# Altium PCB TimeCard-DC-V1.PcbDoc (part 1 of 3)
Units mil, origin at the board's own origin, x right, y up, seen from the top; angles counter-clockwise.
Board outline 7087.6 x 4375.98 mil, 6 copper layers (TOP, SGND, IN1, IN2, SGND1, BOTTOM), stack 47.2 mil thick; 120 components, 111 nets, 769 pads, 335 vias.
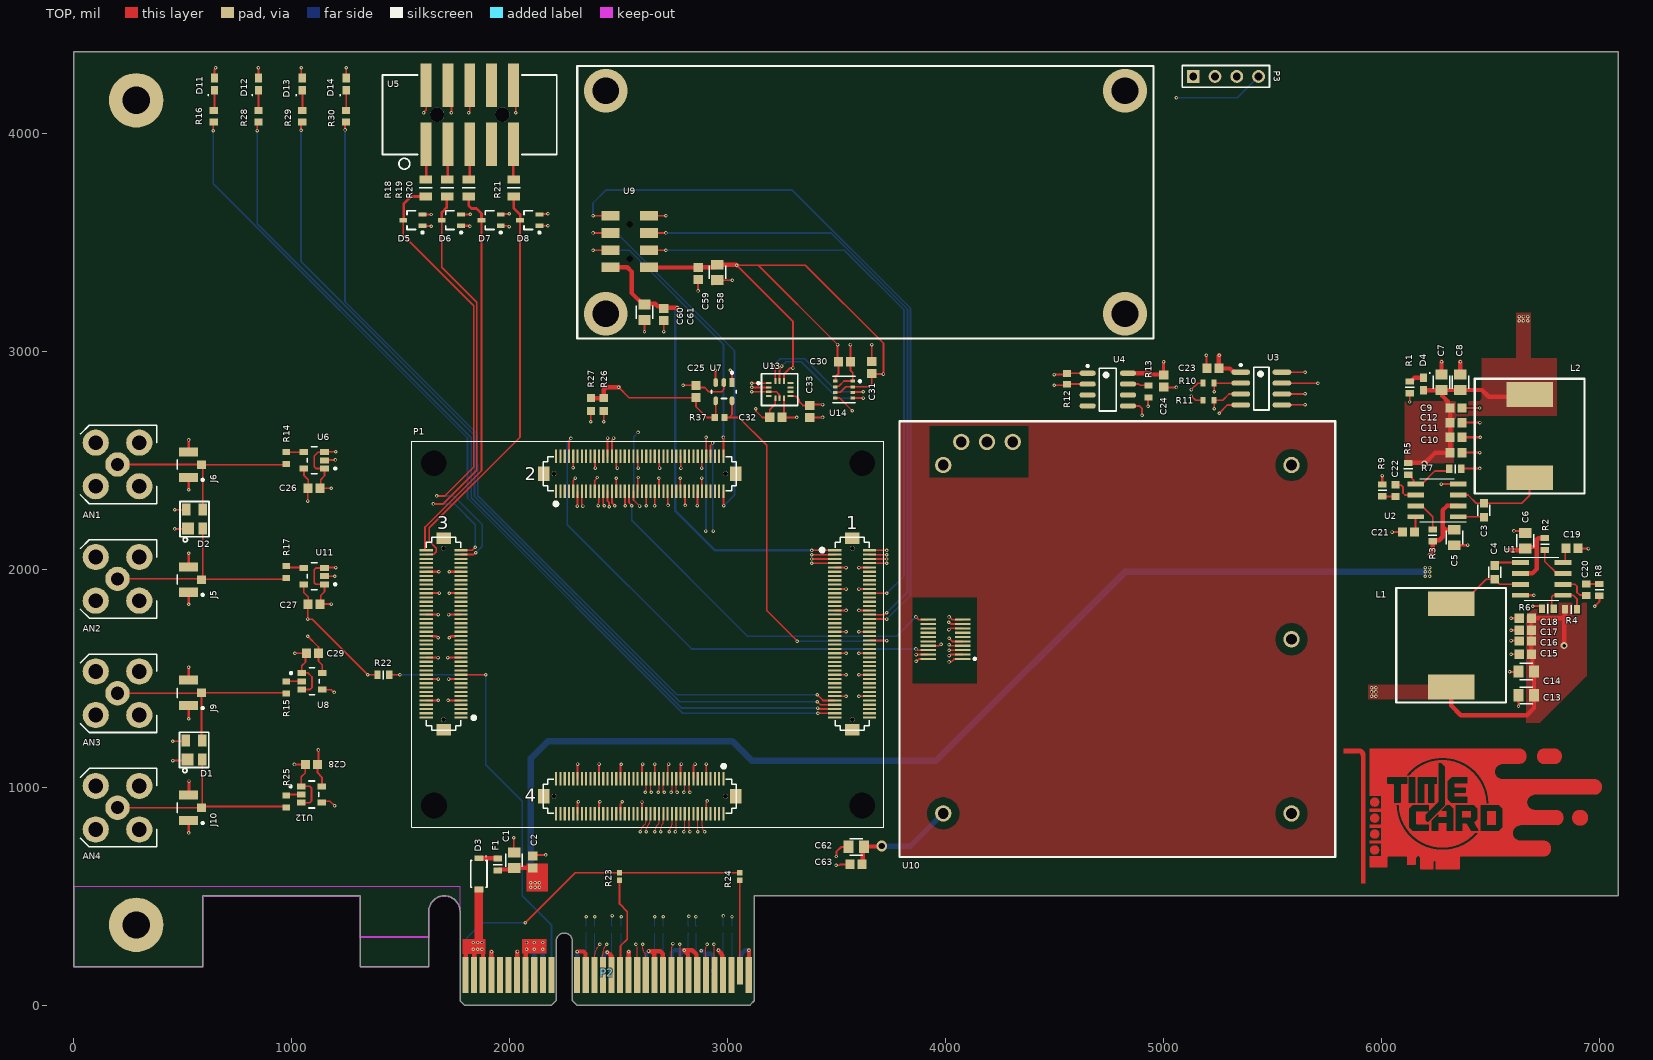
[diagram p0: TOP view]
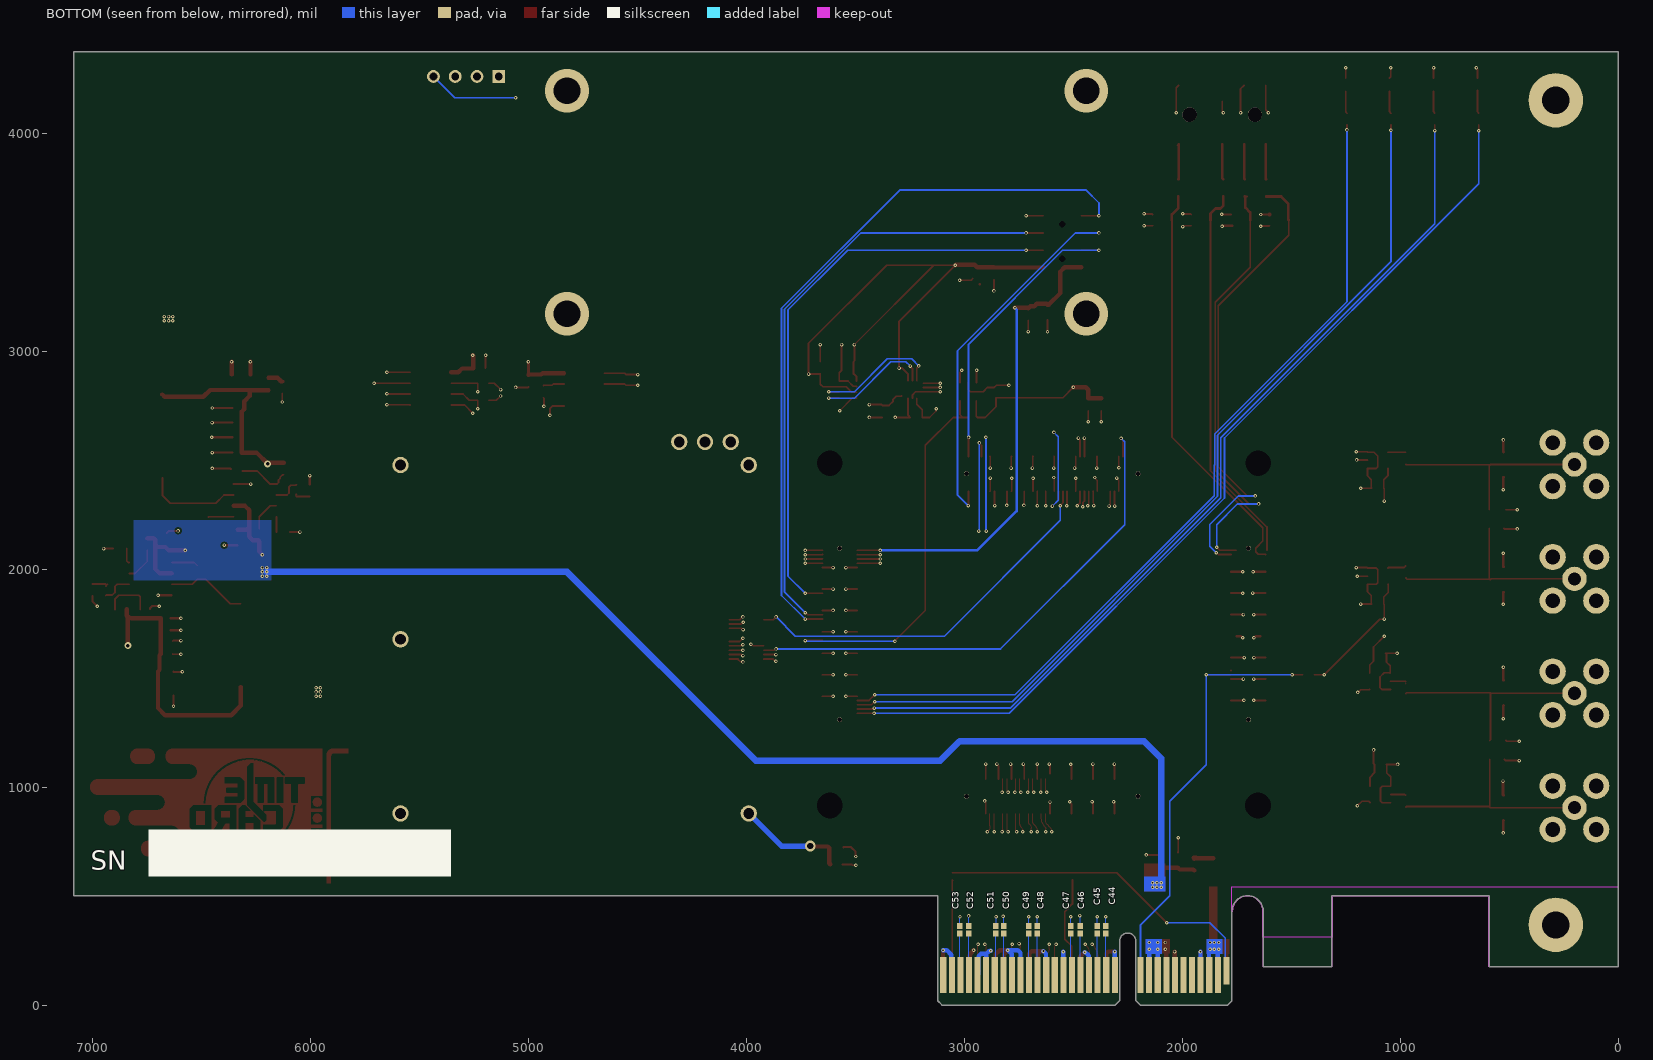
[diagram p1: BOTTOM view, seen from below]
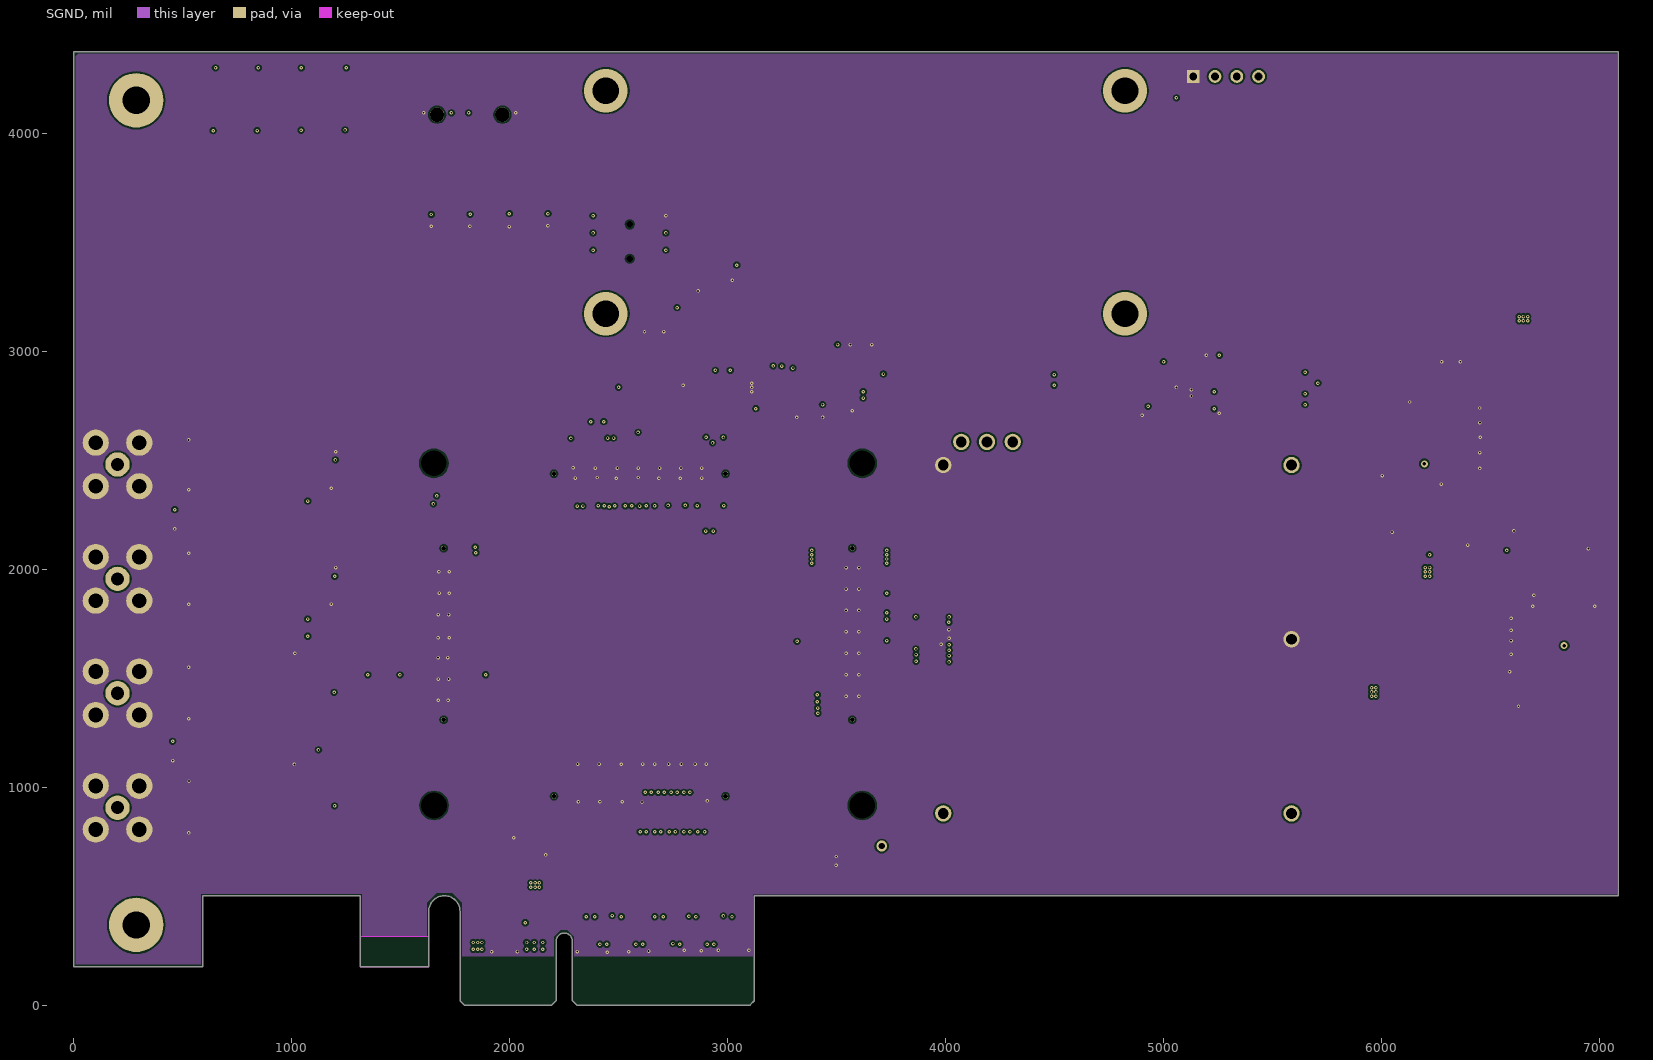
[diagram p2: SGND]
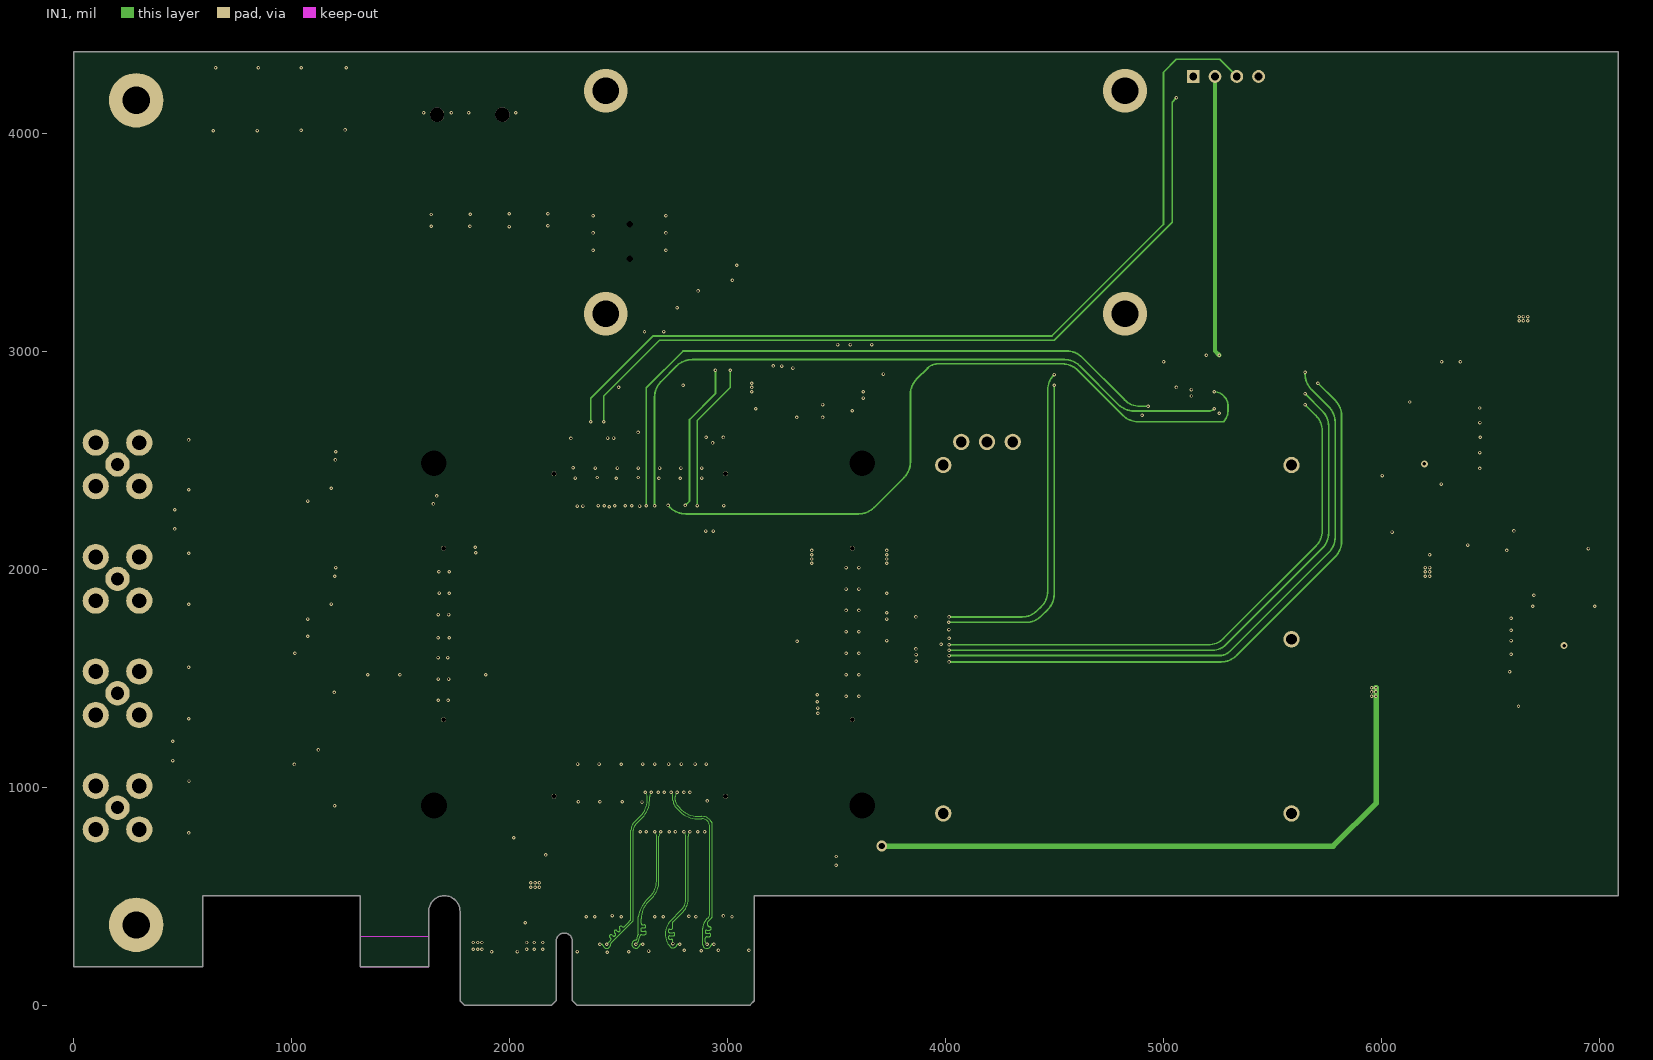
[diagram p3: IN1]
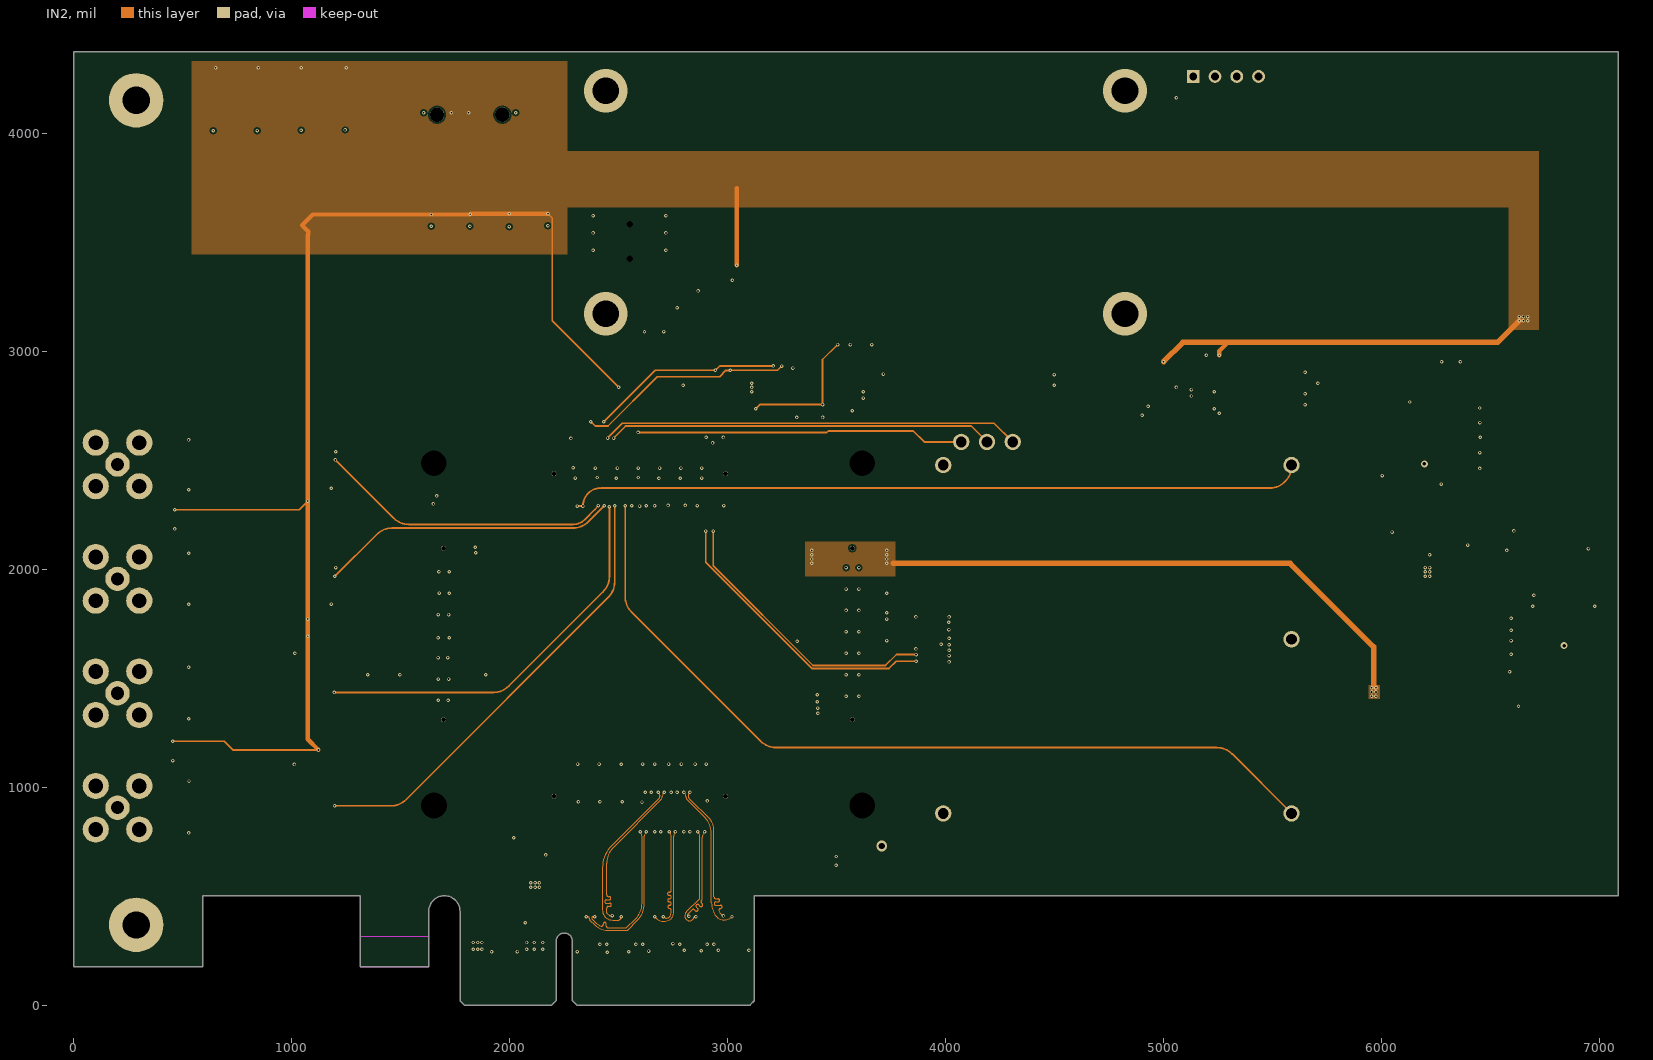
[diagram p4: IN2]
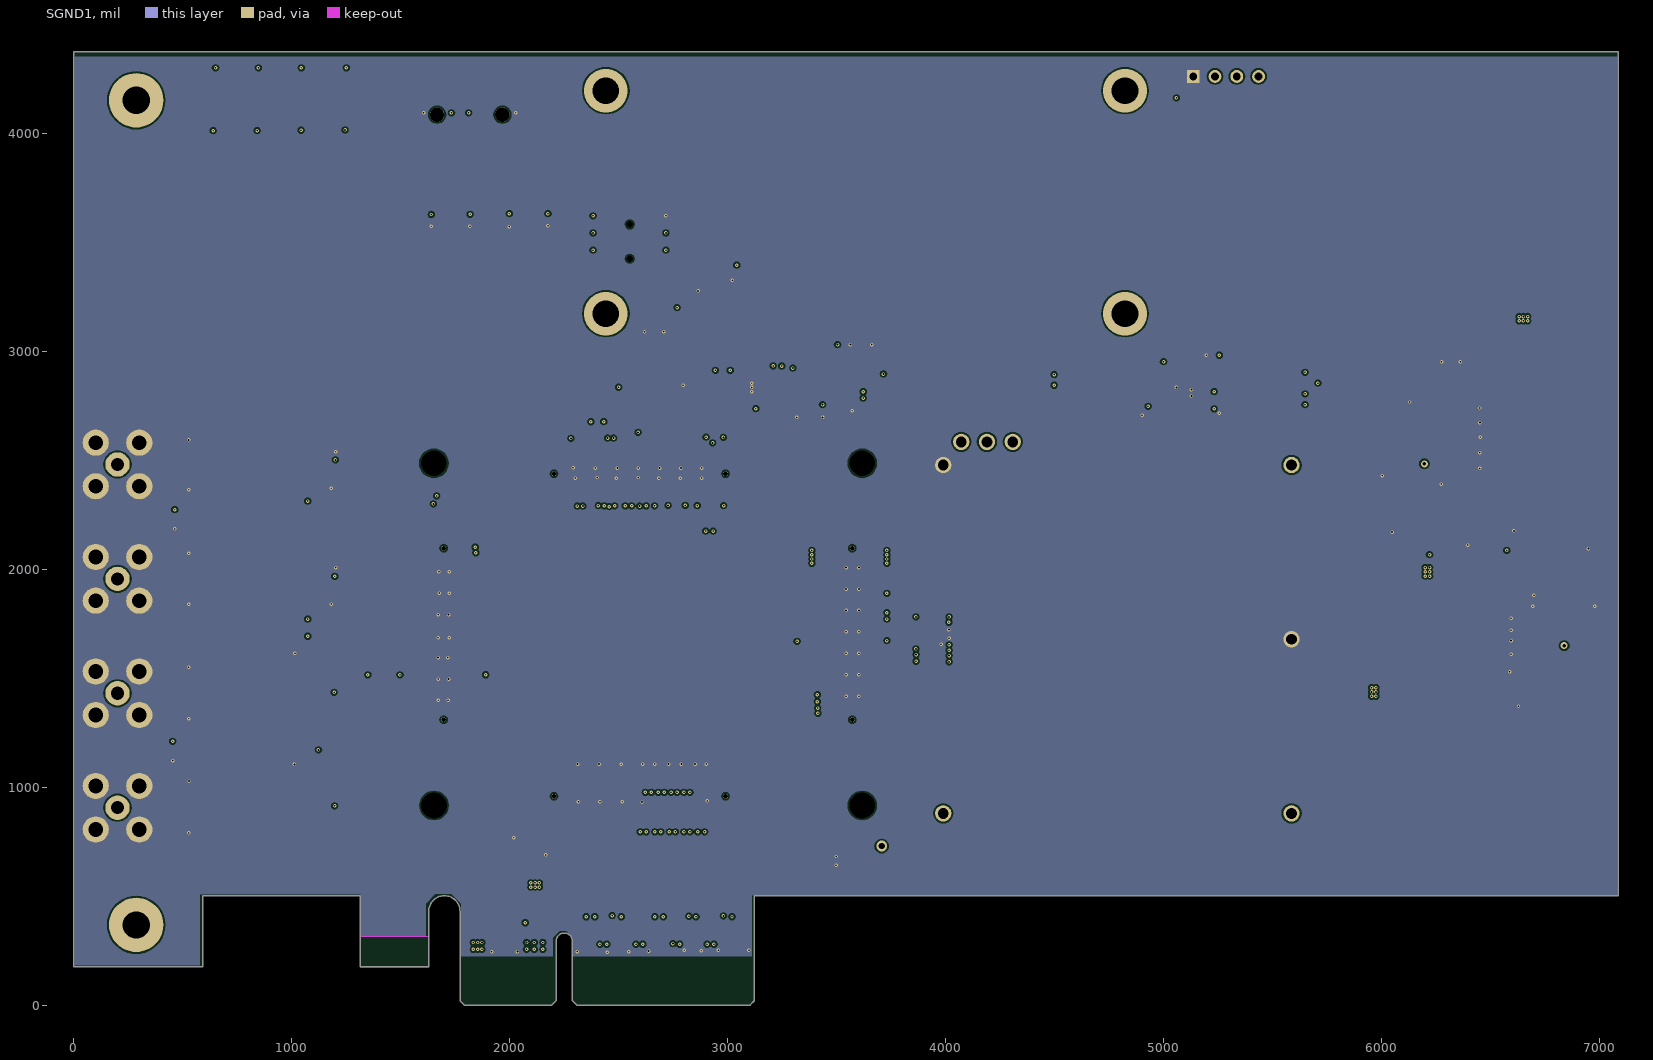
[diagram p5: SGND1]

## Layer stack, top to bottom
Top Solder: solder mask 0.4, Solder Resist, Dk 3.5
TOP: signal copper 1.2
Dielectric 1: core 8, FR-4, Dk 4.5
SGND: signal copper 1.2
Dielectric2: core 8, FR-4, Dk 4.5
IN1: signal copper 1.2
Dielectric3: core 8, FR-4, Dk 4.5
IN2: signal copper 1.2
Dielectric4: core 8, FR-4, Dk 4.5
SGND1: signal copper 1.2
Dielectric5: core 8, FR-4, Dk 4.5
BOTTOM: signal copper 1.2
Bottom Solder: solder mask 0.4, Solder Resist, Dk 3.5

## Board outline
590.55,177.17 590.55,501.97 1312.99,501.97 1312.99,177.17 1627.95,177.17 1627.95,430.12 cw(c1699.8,430.12) 1771.65,430.12 1771.65,19.69 1791.34,0 2192.91,0 2212.6,19.69 2212.6,293.31 cw(c2250,293.31) 2287.4,293.31 2287.4,19.69 2307.09,0 3102.36,0 3122.05,19.69 3122.05,501.97 7087.6,501.97 7087.6,4375.98 0,4375.98 0,177.17

## Design rules (kind name [scope] priority, off if disabled: settings)
Clearance Clearance_1 [OnLayer('Keep-Out Layer')] p1: gap=0 ignorepadtopadclearanceinfootprint=TRUE
Clearance [All] p2: gap=8 ignorepadtopadclearanceinfootprint=TRUE except(5: Arc-Arc Arc-Track Track-Track)
DiffPairsRouting [All] p1: maxlimit=100 minlimit=5 mostfreqgap=6 toplayer_minwidth=5 toplayer_maxwidth=5 toplayer_prefwidth=5 midlayer1_minwidth=5 midlayer1_maxwidth=5 midlayer1_prefwidth=5 midlayer2_minwidth=5 midlayer2_maxwidth=5 midlayer2_prefwidth=5 midlayer3_minwidth=5 midlayer3_maxwidth=5 midlayer3_prefwidth=5 midlayer4_minwidth=5 midlayer4_maxwidth=5 midlayer4_prefwidth=5 bottomlayer_minwidth=5 bottomlayer_maxwidth=5 bottomlayer_prefwidth=5 maxuncoupledlength=500
HoleSize [All] p1: absolutevalues=TRUE maxlimit=1000 minlimit=1 maxpercent=80.000 minpercent=20.000
MatchedLengths MatchedLengths_2 [InDifferentialPairClass('All Differential Pairs')] p1: tolerance=5 checknetsindiffpair=TRUE checkdiffpairvsdiffpair=FALSE checkxsignals=FALSE checkothers=FALSE
MatchedLengths MatchedLengths_1 [InDifferentialPair('PCIE_TX0')] p2: tolerance=100 checknetsindiffpair=FALSE checkdiffpairvsdiffpair=TRUE checkxsignals=TRUE checkothers=TRUE
MatchedLengths [InDifferentialPair('FPGA_CLK')] p3: tolerance=100 checknetsindiffpair=FALSE checkdiffpairvsdiffpair=TRUE checkxsignals=TRUE checkothers=TRUE
MinimumSolderMaskSliver [All] p1 off: minsoldermaskwidth=1
PolygonConnect [All] p1: connectstyle=Direct reliefconductorwidth=10 reliefentries=4 polygonreliefangle="90 Angle" airgapwidth=8
RoutingVias [All] p1: holewidth=8 width=16 viastyle="Through Hole" minholewidth=5 minwidth=12 maxholewidth=28 maxwidth=50
SilkToSolderMaskClearance [IsPad] p1 off: minsilkscreentomaskgap=10 clearancetoexposedcopper=TRUE
SolderMaskExpansion [All] p1: expansion=4 istentingtop=FALSE
Width [All] p1: maxlimit=40 minlimit=3 preferedwidth=8
26 further rules are at their usual default settings.

## Classes and differential pairs
component class PCIe_JTAG: C44 C45 C46 C47 C48 C49 C50 C51 C52 C53 D5 D6 D7 D8 P2 R18 R19 R20 R21 R22 R23 R24 U5
component class GPS_IMU_SENSORS: C25 C30 C31 C32 C33 C58 C59 C60 C61 P3 R26 R27 R37 U7 U9 U13 U14
component class FPGA: P1
component class MAC: C23 C24 C62 C63 R10 R11 R12 R13 U3 U4 U10
component class USER_IO: AN1 AN2 AN3 AN4 C26 C27 C28 C29 D1 D2 D11 D12 D13 D14 J5 J6 J9 J10 R14 R15 R16 R17 R25 R28 R29 R30 U6 U8 U11 U12
component class POWER: C1 C2 C3 C4 C5 C6 C7 C8 C9 C10 C11 C12 C13 C14 C15 C16 C17 C18 C19 C20 C21 C22 D3 D4 F1 L1 L2 R1 R2 R3 R4 R5 R6 R7 R8 R9 U1 U2
differential pair PCIE_TX3: +PCIE_TX3_P -PCIE_TX3_N
differential pair PCIE_TX2: +PCIE_TX2_P -PCIE_TX2_N
differential pair PCIE_TX1: +PCIE_TX1_P -PCIE_TX1_N
differential pair PCIE_TX0: +PCIE_TX0_P -PCIE_TX0_N
differential pair PCIE_RX3: +PCIE_RX3_P -PCIE_RX3_N
differential pair PCIE_RX2: +PCIE_RX2_P -PCIE_RX2_N
differential pair PCIE_RX1: +PCIE_RX1_P -PCIE_RX1_N
differential pair PCIE_RX0: +PCIE_RX0_P -PCIE_RX0_N
differential pair PCIE_CLK: +PCIE_CLK_P -PCIE_CLK_N

## Components (designator, comment, footprint, x,y, rotation, side; value= is the part's Value field where it differs from the comment)
AN1 "901-143-6RFX" AMPHENOL-901-143-6RFX 199.84,2481.06 r180 top
AN2 "901-143-6RFX" AMPHENOL-901-143-6RFX 199.84,1956.06 r180 top
AN3 "901-143-6RFX" AMPHENOL-901-143-6RFX 199.84,1431.06 r180 top
AN4 "901-143-6RFX" AMPHENOL-901-143-6RFX 199.84,906.06 r180 top
C1 "CAP_0805_10UF_25V" CAPC2012X14N 2019.68,665.35 r90 top value=10uF
C2 "0.1uF" CAPC1608X87X45ML20T05 2106.3,657.48 r270 top
C3 "CAP_0603_0.01UF_50V" CAPC1608X10N 6469.84,2271.06 r90 top value=0.01uF
C4 "CAP_0603_0.01UF_50V" CAPC1608X10N 6519.84,1986.06 r270 top value=0.01uF
C5 "CAP_0805_10UF_25V" CAPC2012X14N 6334.84,2146.06 r270 top value=10uF
C6 "CAP_0805_10UF_25V" CAPC2012X14N 6659.84,2131.06 r90 top value=10uF
C7 "CAP_0805_10UF_25V" CAPC2012X14N 6275.59,2858.27 r90 top value=10uF
C8 "CAP_0805_10UF_25V" CAPC2012X14N 6362.2,2858.27 r90 top value=10uF
C9 "0.1uF" CAPC1608X87X45ML20T05 6342.52,2740.16 r180 top
C10 "0.1uF" CAPC1608X87X45ML20T05 6342.52,2535.43 r180 top
C11 "0.1uF" CAPC1608X87X45ML20T05 6342.52,2606.3 r180 top
C12 "0.1uF" CAPC1608X87X45ML20T05 6342.52,2673.23 r180 top
C13 "CAP_0805_10UF_25V" CAPC2012X14N 6664.84,1421.06 r180 top value=10uF
C14 "CAP_0805_10UF_25V" CAPC2012X14N 6664.84,1531.06 r180 top value=10uF
C15 "0.1uF" CAPC1608X87X45ML20T05 6659.84,1611.06 r0 top
C16 "0.1uF" CAPC1608X87X45ML20T05 6659.84,1671.06 r0 top
C17 "0.1uF" CAPC1608X87X45ML20T05 6659.84,1721.06 r0 top
C18 "0.1uF" CAPC1608X87X45ML20T05 6659.84,1776.06 r0 top
C19 "0.1uF" CAPC1608X87X45ML20T05 6874.84,2096.06 r180 top
C20 "0.033uF" CAPC1608X90X35NL10T15 6939.84,1906.06 r270 top
C21 "0.1uF" CAPC1608X87X45ML20T05 6124.84,2171.06 r0 top
C22 "0.033uF" CAPC1608X90X35NL10T15 6064.84,2361.06 r90 top
C23 "0.1uF" CAPC1608X87X45ML20T05 5226.38,2923.23 r0 top
C24 "0.1uF" CAPC1608X87X45ML20T05 5000,2864.17 r270 top
C25 "0.1uF" CAPC1608X87X45ML20T05 2854.33,2814.96 r270 top
C26 "0.1uF" CAPC1608X87X45ML20T05 1102.36,2372.05 r0 top
C27 "0.1uF" CAPC1608X87X45ML20T05 1102.36,1840.55 r0 top
C28 "0.1uF" CAPC1608X87X45ML20T05 1090.55,1104.33 r180 top
C29 "0.1uF" CAPC1608X87X45ML20T05 1094.49,1614.17 r180 top
C30 "0.1uF" CAPC1608X87X45ML20T05 3535.43,2952.76 r180 top
C31 "0.1uF" CAPC1608X87X45ML20T05 3661.42,2925.2 r270 top
C32 "0.1uF" CAPC1608X87X45ML20T05 3220.47,2696.85 r180 top
C33 "0.1uF" CAPC1608X87X45ML20T05 3375.98,2724.41 r90 top
C44 "CAP_0402_0.1UF_50V" CAPC1005X06N 2349.84,346.06 r90 bottom value=0.1UF
C45 "CAP_0402_0.1UF_50V" CAPC1005X06N 2389.84,346.06 r90 bottom value=0.1UF
C46 "CAP_0402_0.1UF_50V" CAPC1005X06N 2468.84,346.06 r90 bottom value=0.1UF
C47 "CAP_0402_0.1UF_50V" CAPC1005X06N 2511.84,346.06 r90 bottom value=0.1UF
C48 "CAP_0402_0.1UF_50V" CAPC1005X06N 2664.84,346.06 r90 bottom value=0.1UF
C49 "CAP_0402_0.1UF_50V" CAPC1005X06N 2704.84,346.06 r90 bottom value=0.1UF
C50 "CAP_0402_0.1UF_50V" CAPC1005X06N 2819.84,346.06 r90 bottom value=0.1UF
C51 "CAP_0402_0.1UF_50V" CAPC1005X06N 2854.84,346.06 r90 bottom value=0.1UF
C52 "CAP_0402_0.1UF_50V" CAPC1005X06N 2979.84,346.06 r90 bottom value=0.1UF
C53 "CAP_0402_0.1UF_50V" CAPC1005X06N 3019.84,346.06 r90 bottom value=0.1UF
C58 "CAP_0805_10UF_25V" CAPC2012X14N 2952.76,3362.2 r270 top value=10uF
C59 "0.1uF" CAPC1608X87X45ML20T05 2864.17,3356.3 r90 top
C60 "CAP_0805_10UF_25V" CAPC2012X14N 2618.11,3179.13 r270 top value=10uF
C61 "0.1uF" CAPC1608X87X45ML20T05 2706.69,3169.29 r90 top
C62 "CAP_0805_10UF_25V" CAPC2012X14N 3589.53,726.06 r180 top value=10uF
C63 "0.1uF" CAPC1608X87X45ML20T05 3587.6,645.67 r0 top